# Altium PCB Layout.PcbDoc (part 1 of 2)
Units mil, origin at the board's own origin, x right, y up, seen from the top; angles counter-clockwise.
Board outline 7070 x 5095 mil, 2 copper layers (Top Layer, Bottom Layer); 207 components, 112 nets, 607 pads, 1005 vias.
Unrouted connection lines stored in the file: 4.
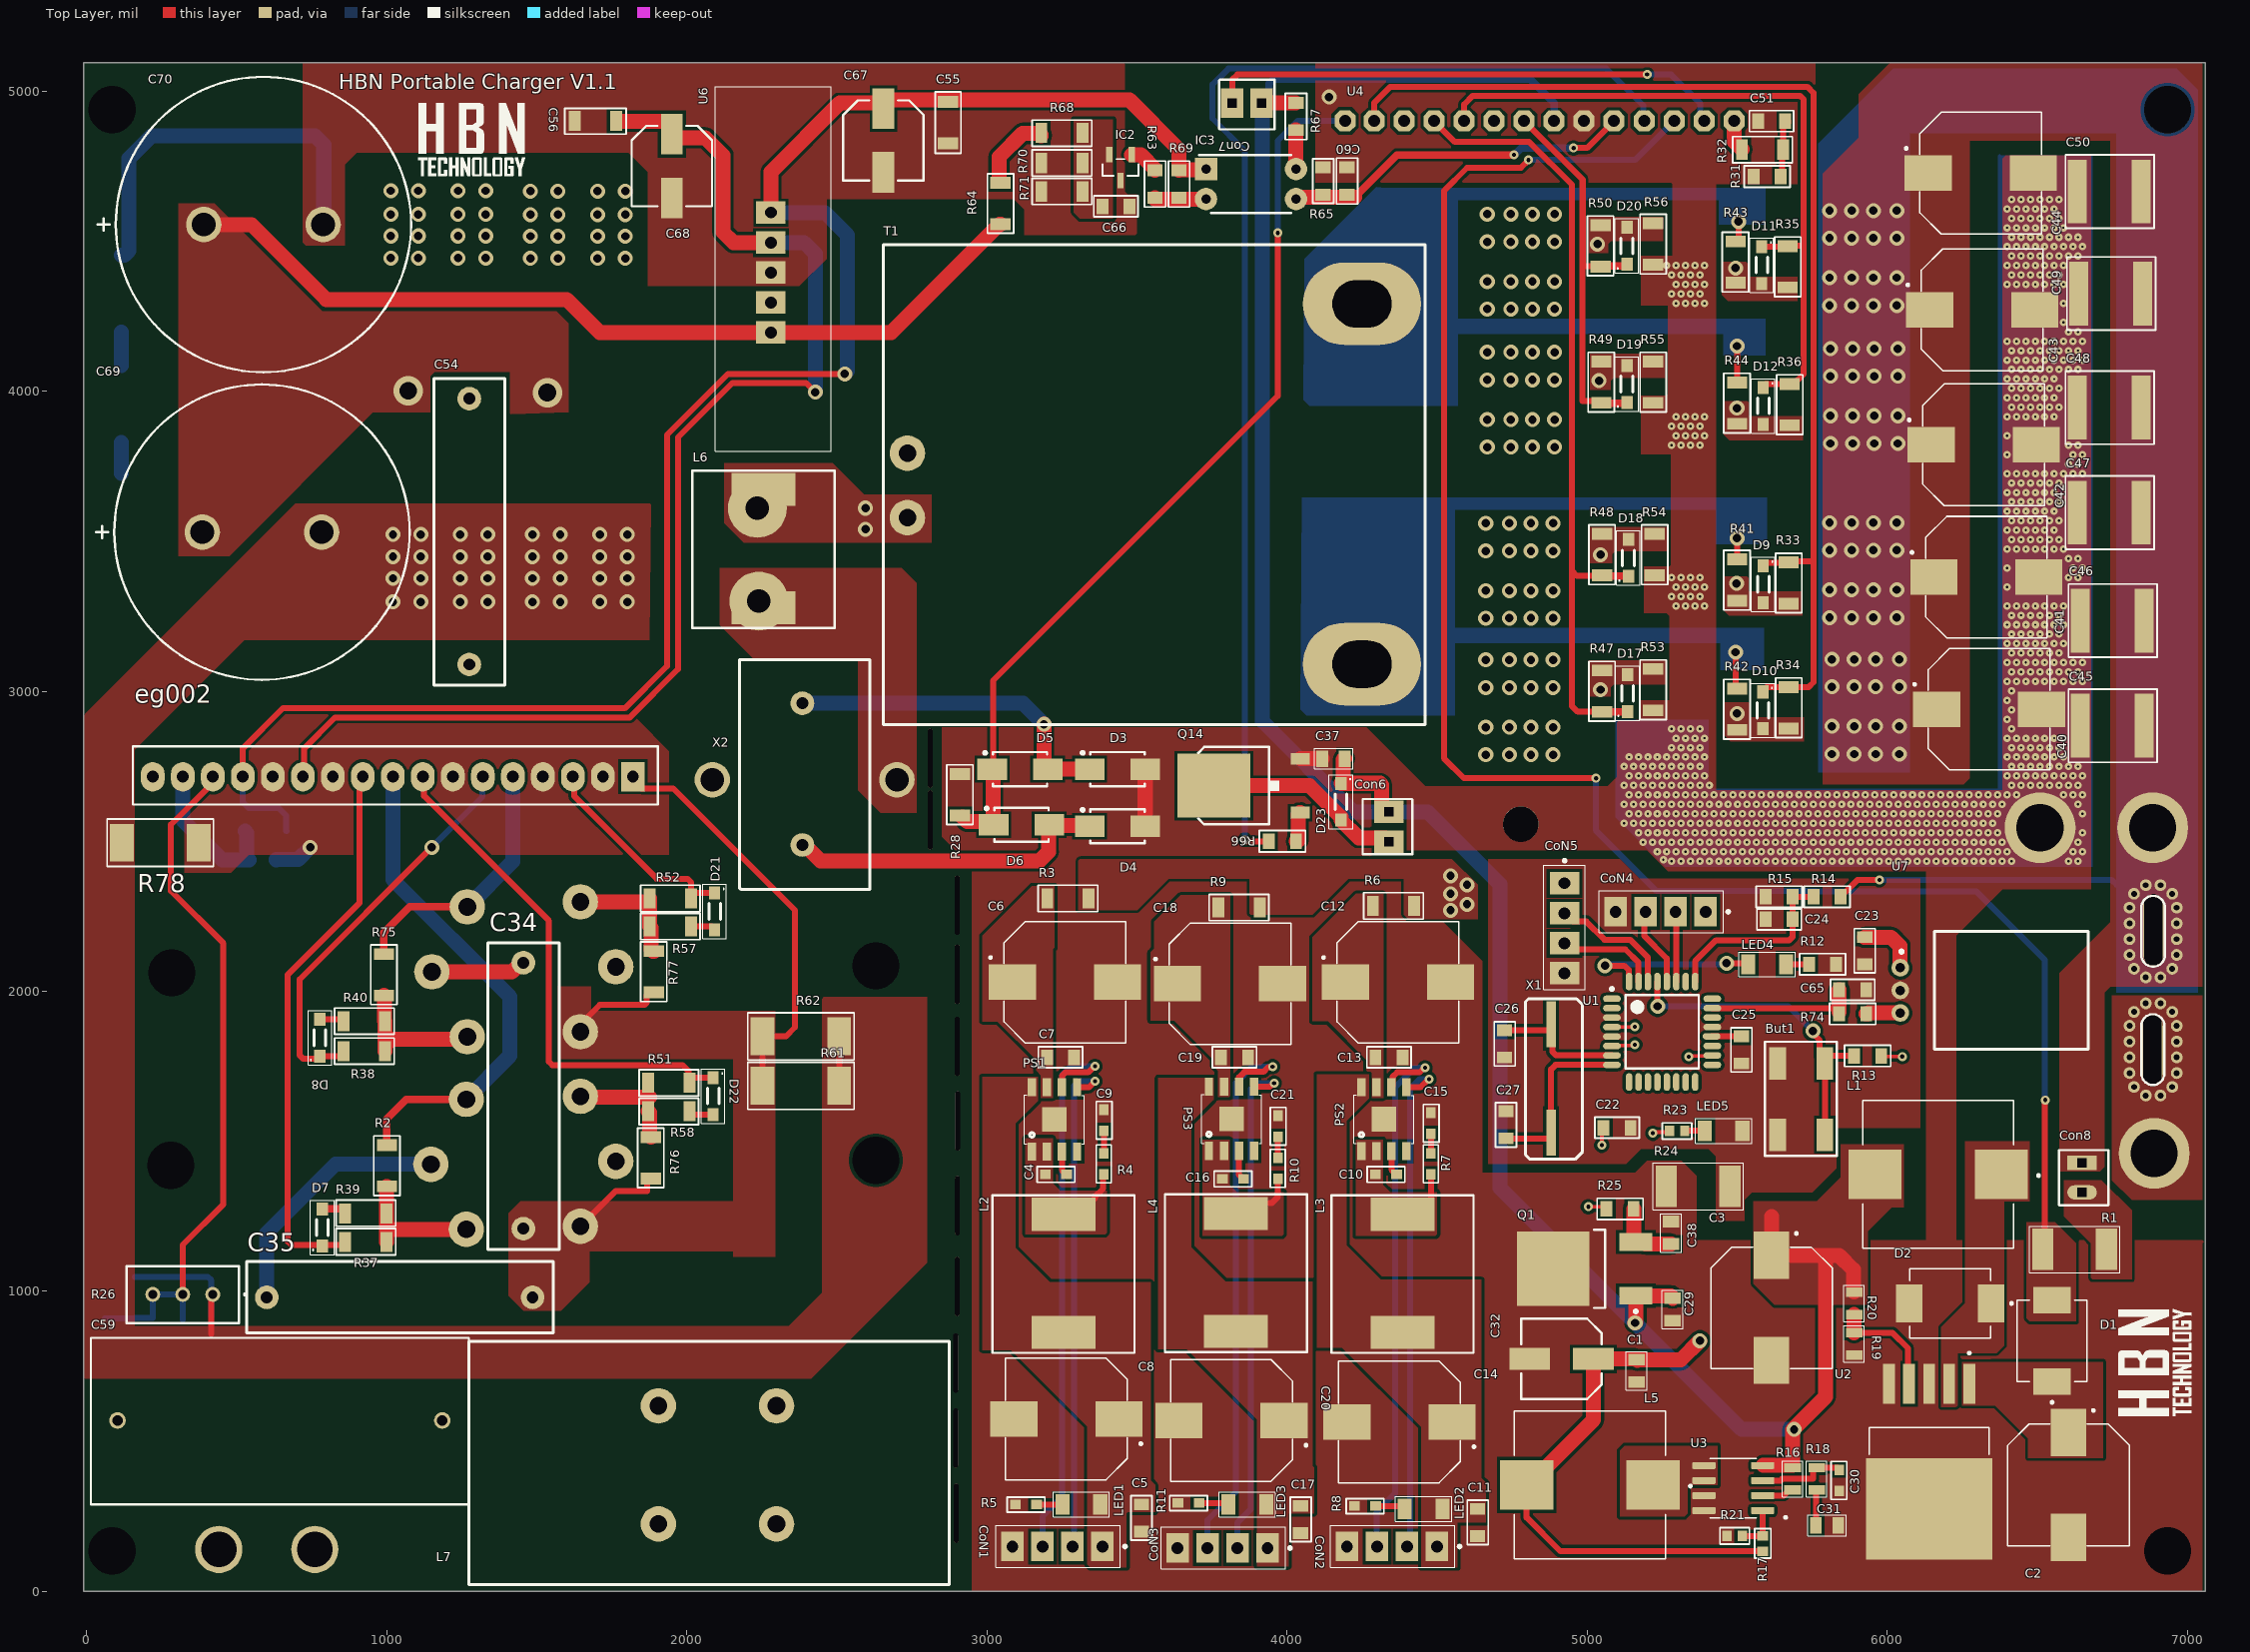
[diagram p0: Top Layer view]
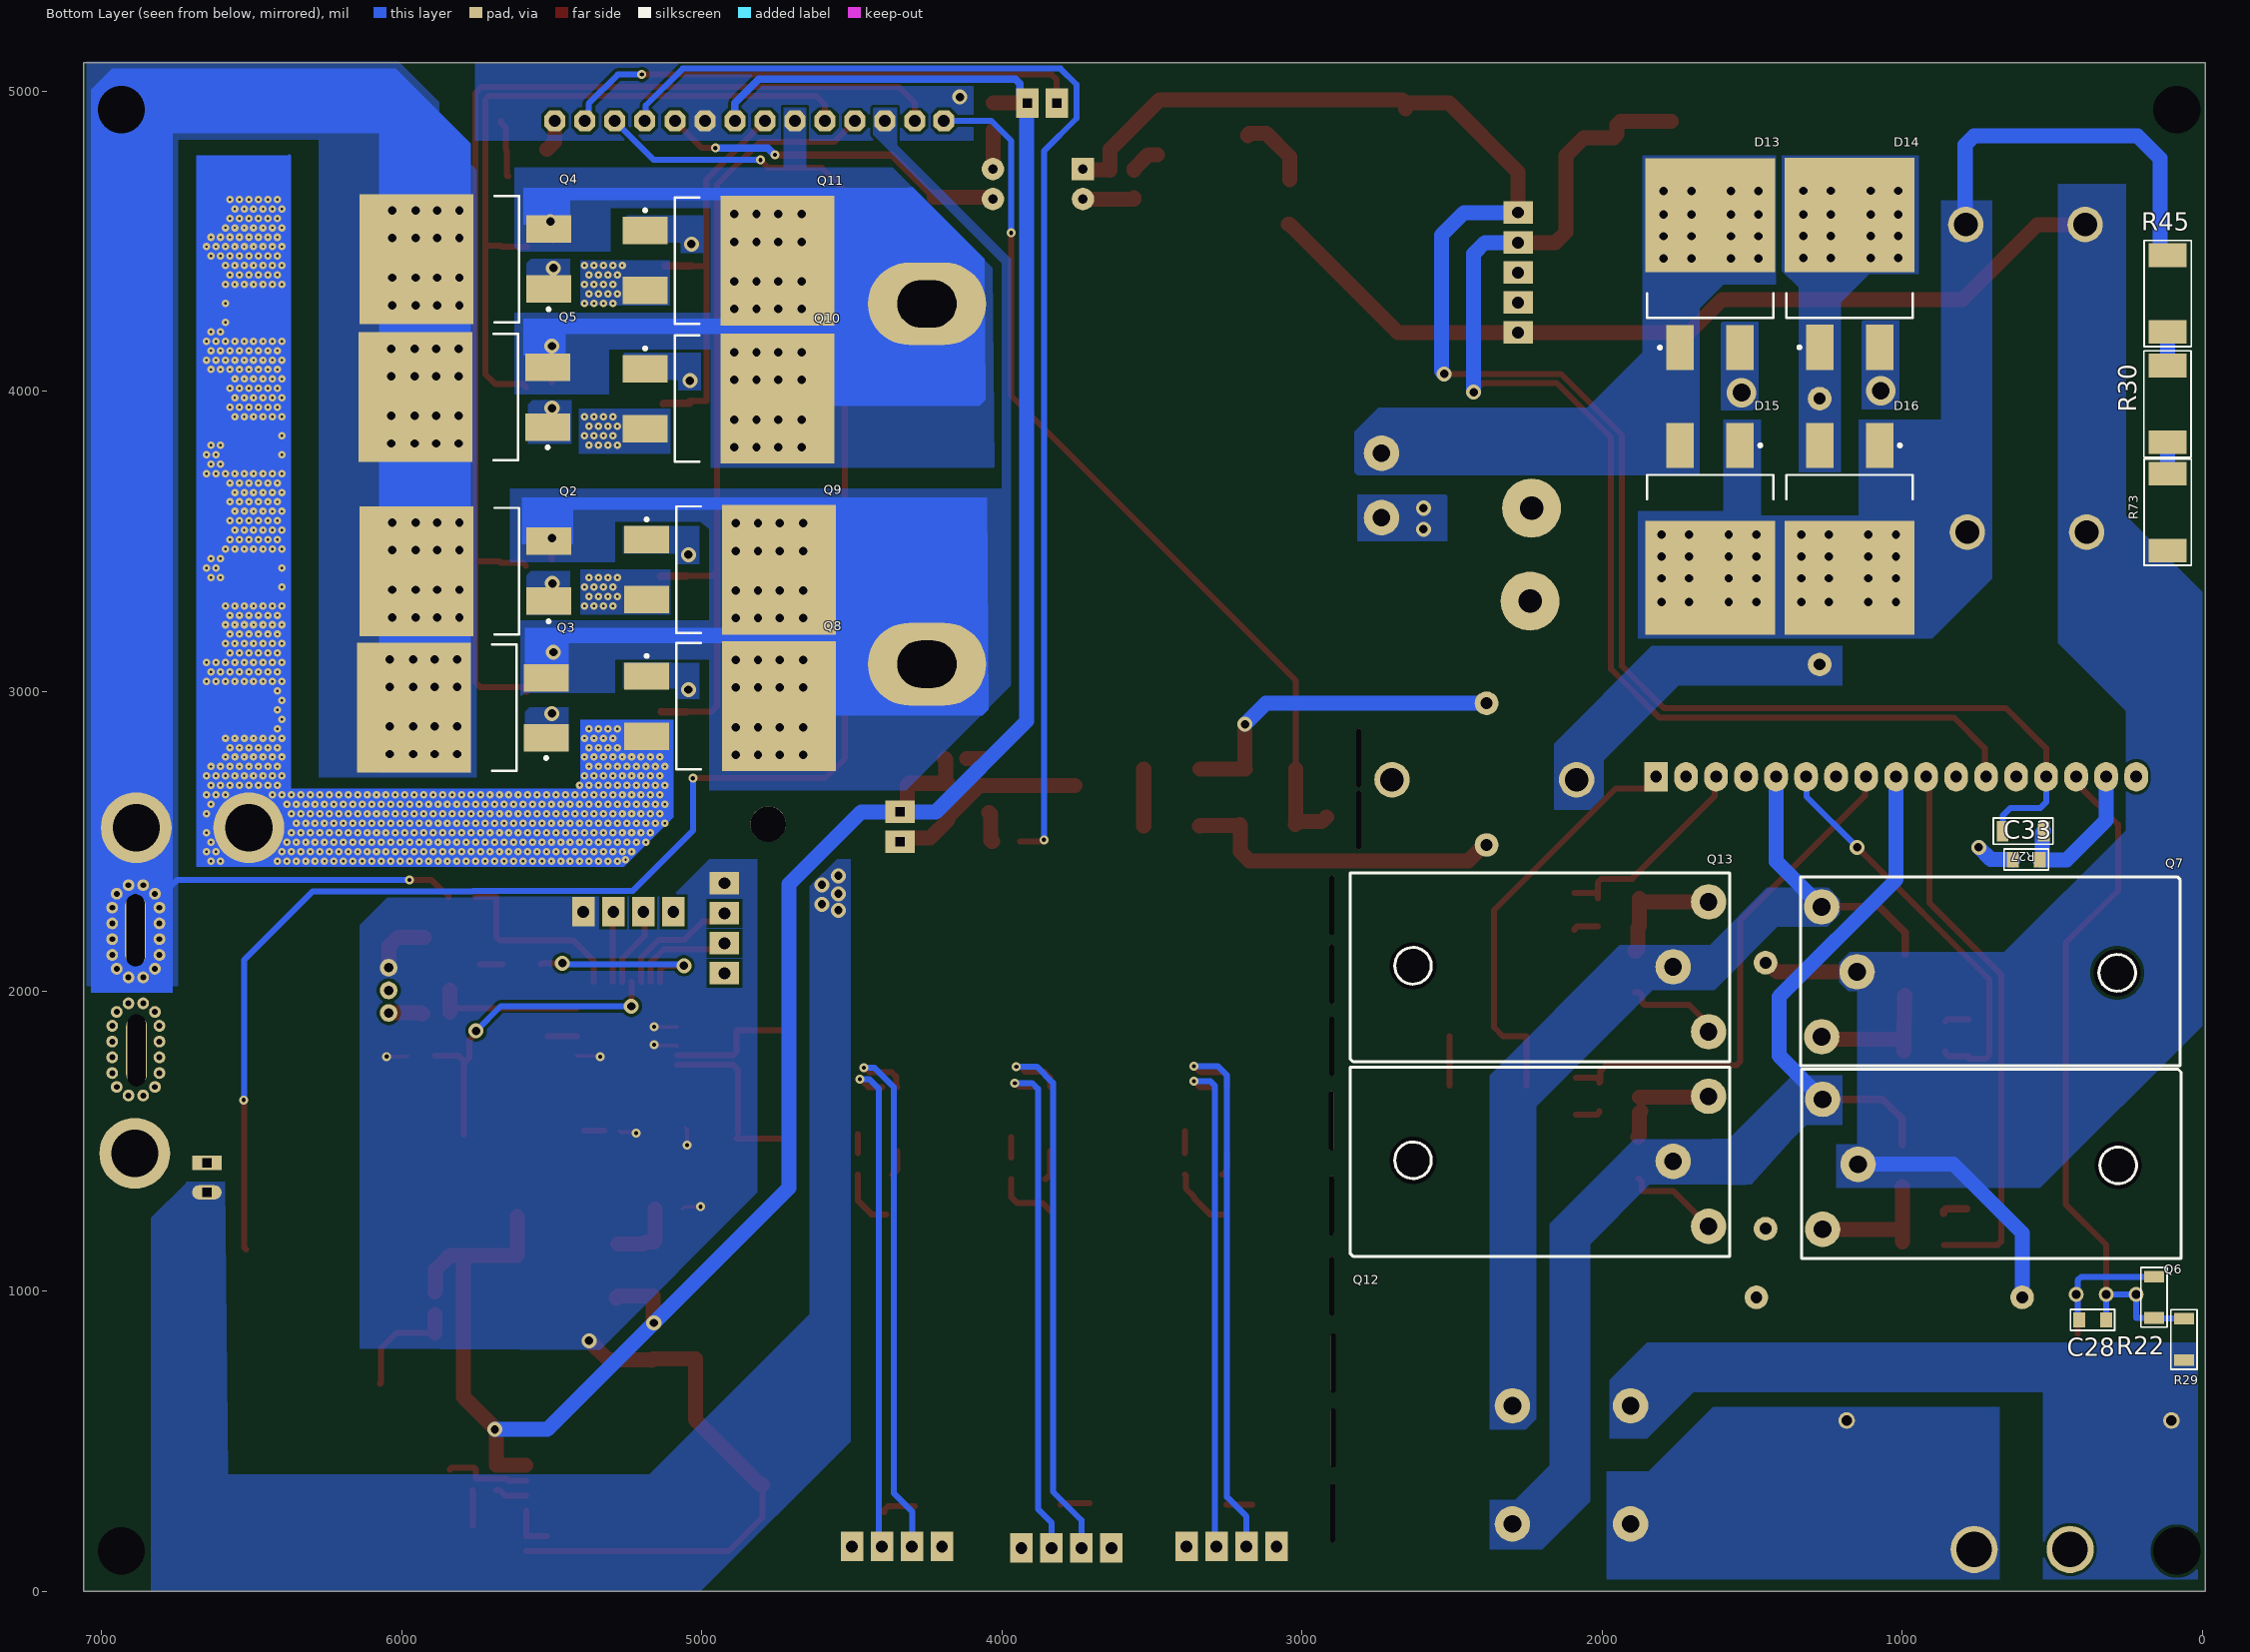
[diagram p1: Bottom Layer view, seen from below]
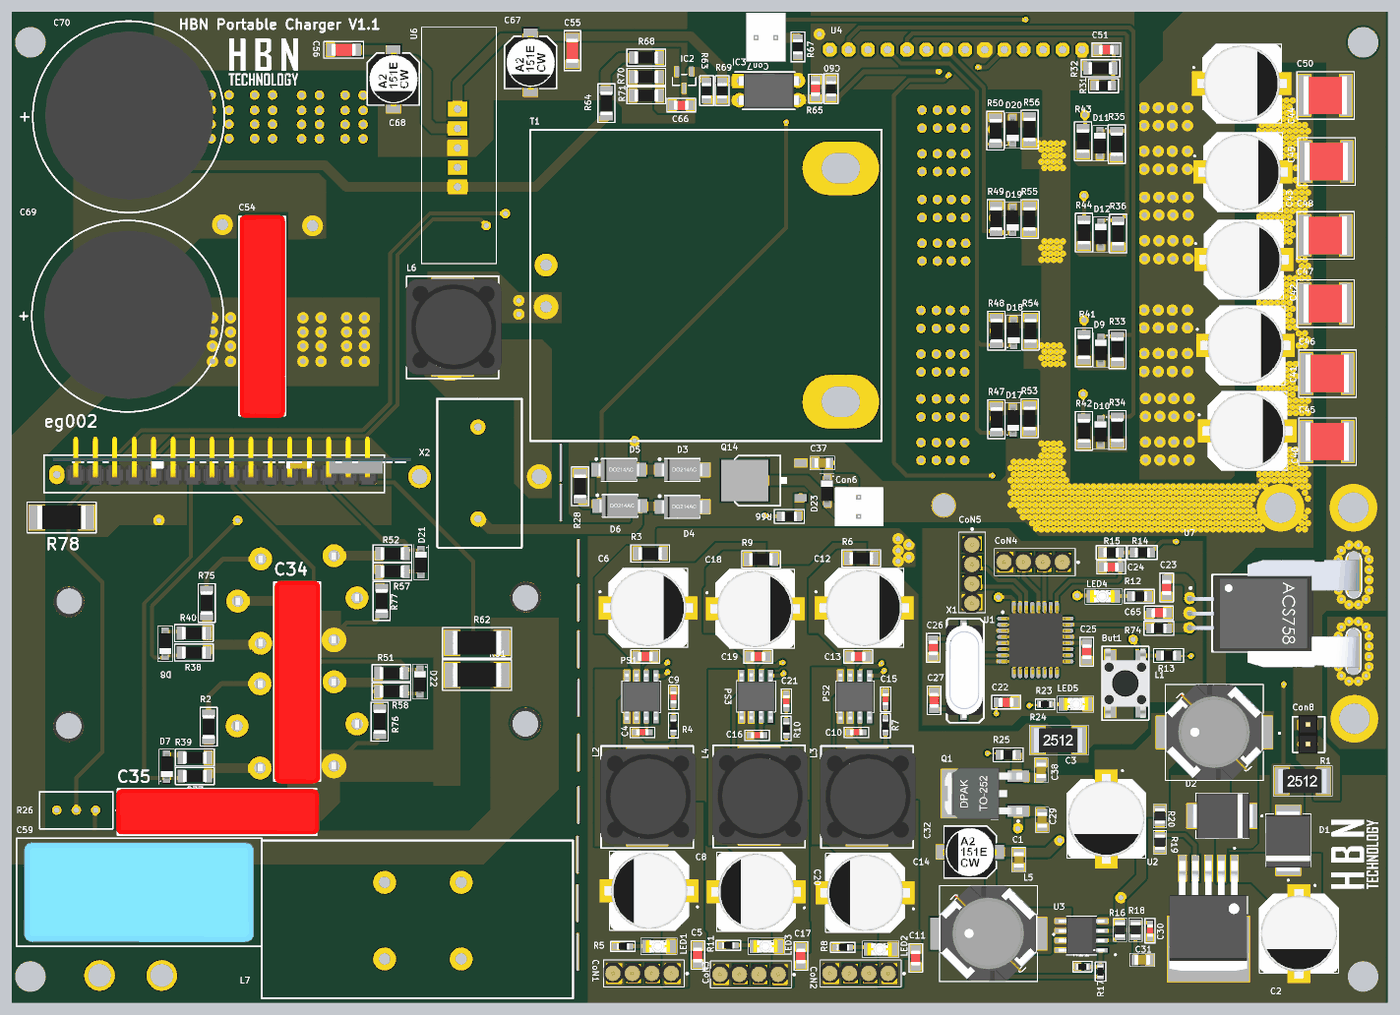
[diagram p3: 3D render of the assembled board from above, using the file's embedded part models]
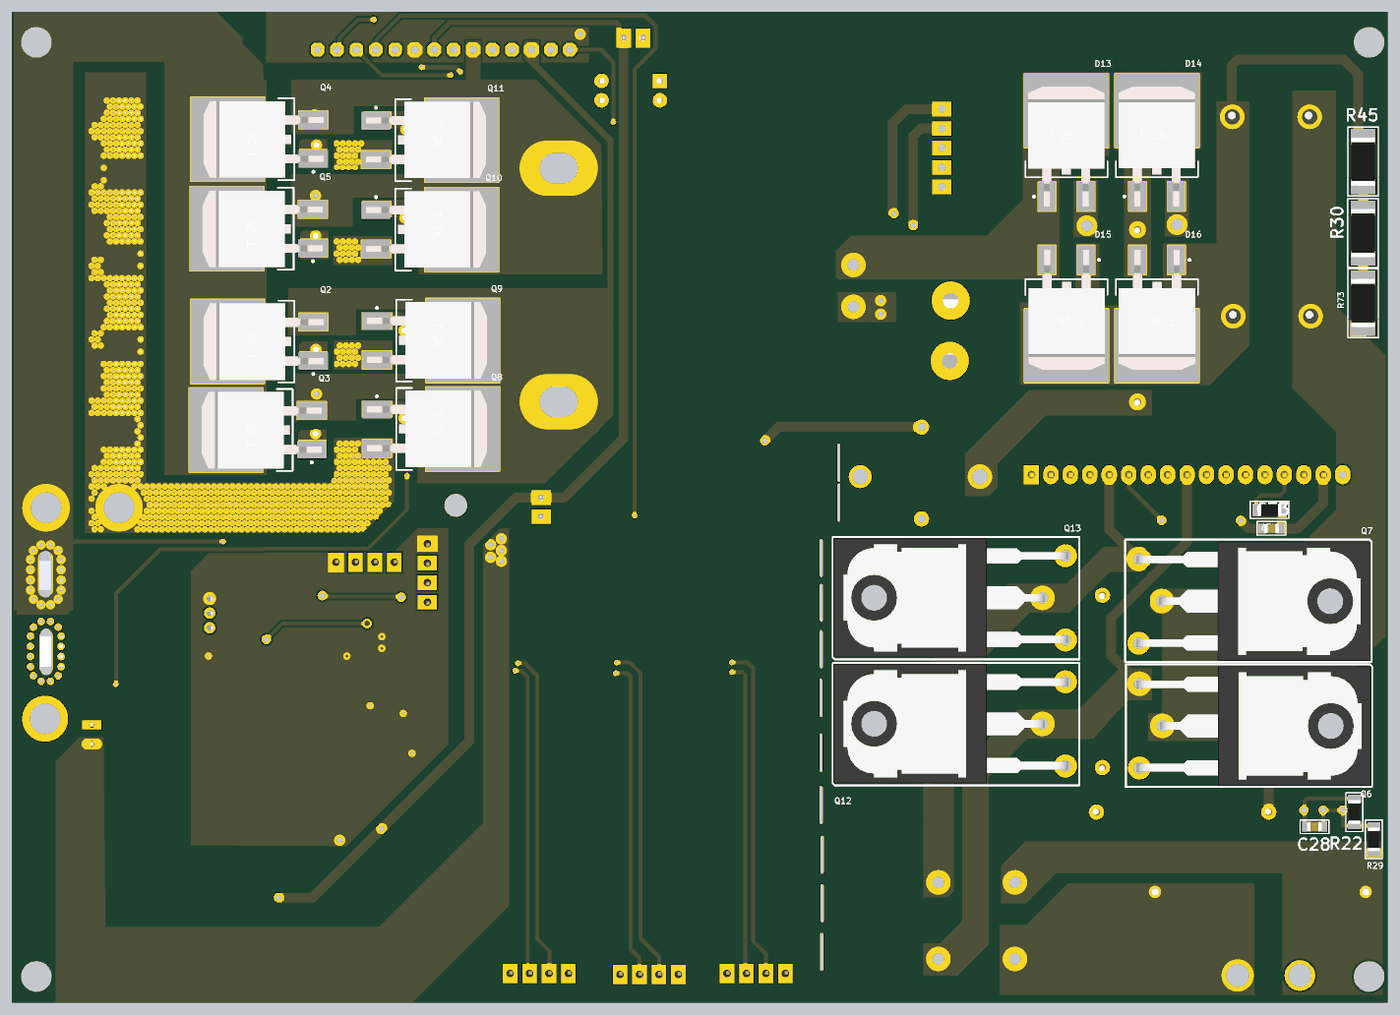
[diagram p4: 3D render of the assembled board from below, using the file's embedded part models]

## Layer stack, top to bottom
Top Solder: solder mask 0.4, Solder Resist, Dk 3.5
Top Layer: signal copper 1.4
Dielectric 1: dielectric 12.6, FR-4, Dk 4.8
Bottom Layer: signal copper 1.4
Bottom Solder: solder mask 0.4, Solder Resist, Dk 3.5

## Board outline
-10,0 -10,5095 7060,5095 7060,0

## Design rules (kind name [scope] priority, off if disabled: settings)
Clearance [All] p1: gap=10 ignorepadtopadclearanceinfootprint=FALSE except(0: Arc-Hole Track-Hole SMDPad-Hole THPad-Hole Via-Hole Fill-Hole Poly-Hole Region-Hole Text-Hole)
PolygonConnect [All] p1: connectstyle=Direct reliefconductorwidth=10 reliefentries=4 polygonreliefangle="90 Angle" airgapwidth=10
RoutingVias [All] p1: holewidth=28 width=50 viastyle="Through Hole" minholewidth=28 minwidth=50 maxholewidth=28 maxwidth=50
SolderMaskExpansion [All] p1: expansion=4 istentingtop=FALSE
Width [All] p1: maxlimit=99999 minlimit=10 preferedwidth=10 minimp=50.000000 maximp=50.000000 favimp=50.000000
30 further rules are at their usual default settings.

## Classes and differential pairs
component class Inverter: C28 C33 C34 C35 C40 C41 C42 C43 C44 C45 C46 C47 C48 C49 C50 C51 C54 C55 C56 C59 C60 C65 C66 C67 C68 C69 C70 Con6 Con7 D3 D4 D5 D6 D7 D8 D9 D10 D11 D12 D13 D14 D15 D16 D17 D18 D19 D20 D21 D22 D23 eg002 IC2 IC3 L6 L7 Q2 Q3 Q4 Q5 Q6 Q7 Q8 Q9 Q10 Q11 Q12 Q13 Q14 R2 R22 R26 R27 R28 R29 R30 R31 R32 R33 R34 R35 R36 R37 R38 R39 R40 R41 R42 R43 R44 R45 R47 R48 R49 R50 R51 R52 R53 R54 R55 R56 R57 R58 R61 R62 R63 R64 R65 R66 R67 R68 R69 R70 R71 R73 R74 R75 R76 R77 R78 T1 U4 U6 U7 X2
component class "USB Charger": C4 C5 C6 C7 C8 C9 C10 C11 C12 C13 C14 C15 C16 C17 C18 C19 C20 C21 CoN1 CoN2 CoN3 L2 L3 L4 LED1 LED2 LED3 PS1 PS2 PS3 R3 R4 R5 R6 R7 R8 R9 R10 R11
component class "Power Distrubition": C1 C2 C3 C29 C30 C31 C32 C37 C38 Con8 D1 D2 L1 L5 LED5 Q1 R1 R16 R17 R18 R19 R20 R21 R23 R24 R25 U2 U3
component class MCU: But1 C22 C23 C24 C25 C26 C27 CoN4 CoN5 LED4 R12 R13 R14 R15 U1 X1

## Components (designator, comment, footprint, x,y, rotation, side; value= is the part's Value field where it differs from the comment)
But1 "BUT" ButTON 5792.48,1521.81 r90 top
C1 "22uF" C-0805 5165,735 r90 top
C2 "330UF" CAP_EEETC1C331V#1 6605,355 r270 top
C3 "330UF" CAP_EEETC1C331V#1 5615,945 r270 top
C4 "C-0603" C-0603W 3230,1390 r180 top
C5 "C-0805" C-0805W 3515,245 r90 top
C6 "400V 1000uf" CAP_EEETC1C331V#1 3260,2030 r0 top
C7 "C-0805" C-0805W 3245.28,1780 r180 top
C8 "400V 1000uf" CAP_EEETC1C331V#1 3265,575 r180 top
C9 "C-0603" C-0603W 3390,1570 r270 top
C10 "C-0603" C-0603W 4330,1390 r180 top
C11 "C-0805" C-0805W 4635,230 r90 top
C12 "400V 1000uf" CAP_EEETC1C331V#1 4370,2030 r0 top
C13 "C-0805" C-0805W 4340,1780 r180 top
C14 "400V 1000uf" CAP_EEETC1C331V#1 4375,565 r180 top
C15 "C-0603" C-0603W 4480,1560 r270 top
C16 "C-0603" C-0603W 3820,1375 r180 top
C17 "C-0805" C-0805W 4045,240 r90 top
C18 "400V 1000uf" CAP_EEETC1C331V#1 3810,2025 r0 top
C19 "C-0805" C-0805W 3825,1780 r180 top
C20 "400V 1000uf" CAP_EEETC1C331V#1 3815,570 r180 top
C21 "C-0603" C-0603W 3970,1550 r270 top
C22 "C-0805" C-0805W 5100,1545 r180 top
C23 "C-0805" C-0805W 5925,2135 r90 top
C24 "C-0805" C-0805W 5640,2240 r0 top
C25 "C-0805" C-0805W 5515,1805 r270 top
C26 "C-0805" C-0805W 4725,1825 r90 top
C27 "C-0805" C-0805W 4730,1555 r270 top
C28 "C-0805" C-0805W 365,905 r180 bottom
C29 "22uF" C-0805 5285,940 r90 top
C30 "51pF" C-0603W 5840,370 r90 top
C31 "10nF" C-0805 5800,220 r180 top
C32 "10uF" CapSmdElc 4915,775 r180 top
C33 "C-0805" C-0805W 586.1,2438.4 r0 bottom
C34 "uF" "680nF bulk" 1573.11,1140.28 r90 top
C35 "uF" "680nF bulk" 1554.72,1098.11 r180 top
C37 "22uF" C-0805 4155,2775 r180 top
C38 "22uF" C-0805 5280,1195 r90 top
C40 "400V 1000uf" CAP_EEETC1C331V#1 6340,2940 r0 top
C41 "400V 1000uf" CAP_EEETC1C331V#1 6330.67,3379.78 r0 top
C42 "400V 1000uf" CAP_EEETC1C331V#1 6322.02,3821.1 r0 top
C43 "400V 1000uf" CAP_EEETC1C331V#1 6317.02,4271.1 r0 top
C44 "400V 1000uf" CAP_EEETC1C331V#2 6312.02,4726.1 r0 top
C45 "10uF" C-2220R 6750,2885 r180 top
C46 "10uF" C-2220R 6750,3235 r180 top
C47 "10uF" C-2220R 6740,3595 r180 top
C48 "10uF" C-2220R 6740,3945 r180 top
C49 "10uF" C-2220R 6745,4325 r180 top
C50 "10uF" C-2220R 6740,4665 r180 top
C51 "C-0805" C-0805W 5615,4900 r0 top
C54 "uF" "680nF bulk" 1393.11,3020.28 r90 top
C55 "C-1206" C-1206W 2870,4895 r270 top
C56 "C-1206" C-1206W 1695,4900 r180 top
C59 "22uF 500V" "CAP.POL 22UF 500VDC - duplicate" 1185,570 r180 top
C60 "C-0805" C-0805W 4120,4700 r90 top
C65 "C-0805" C-0805W 5885,2005 r0 top
C66 "C-0805" C-0805W 3430,4615 r180 top
C67 "uF" CapSmdElc 2655,4835 r270 top
C68 "uF" CapSmdElc 1950,4750 r270 top
C69 "220uF" Koshin 782.64,3530 r180 top
C70 "220uF" Koshin 787.64,4555 r180 top
CoN1 "4pinCon" 4pinCon 3235,150 r90 top
CoN2 "4pinCon" 4pinCon 4350,150 r90 top
CoN3 "4pinCon" 4pinCon 3785,145 r90 top
CoN4 "4pinCon" 4pinCon 5245,2265 r90 top
CoN5 "4pinCon" 4pinCon 4925,2210 r180 top
Con6 "2pinConnector" 2pinCon 4340,2500 r180 top
Con7 "2pinConnector" 2pinCon 3915,4960 r270 top
Con8 "Connector2_1" Conn 6650,1427.44 r0 top
D1 "SK54" DIOM7959X265N 6550,835 r90 top
D2 "SK54" DIOM7959X265N 6210,960 r180 top
D3 "do214" DO-214AC 3435,2740 r0 top
D4 "do214" DO-214AC 3435,2550 r0 top
D5 "do214" DO-214AC 3110,2740 r0 top
D6 "do214" DO-214AC 3115,2555 r0 top
D7 "1n4148" SOD123 786.97,1154.43 r90 top
D8 "1n4148" SOD123 779.06,1786.7 r90 top
D9 "1n4148" SOD123 5585,3415 r270 top
D10 "1n4148" SOD123 5583.82,2995.13 r270 top
D11 "1n4148" SOD123 5579.99,4478.8 r270 top
D12 "1n4148" SOD123 5585,4010 r270 top
D13 "sch" "DPAK_TO263 - sch" 1640,4389.09 r90 bottom
D14 "sch" "DPAK_TO263 - sch" 1175,4390 r90 bottom
D15 "sch" "DPAK_TO263 - sch" 1640,3575 r270 bottom
D16 "sch" "DPAK_TO263 - sch" 1175,3575 r270 bottom